# Altium PCB Dash Board.PcbDoc
Units mil, origin at the board's own origin, x right, y up, seen from the top; angles counter-clockwise.
Board outline 5620.27 x 3065.15 mil, 4 copper layers (Top Layer, GND, Power, Bottom Layer), stack 29.356 mil thick; 80 components, 55 nets, 279 pads, 118 vias.
Unrouted connection lines stored in the file: 2.
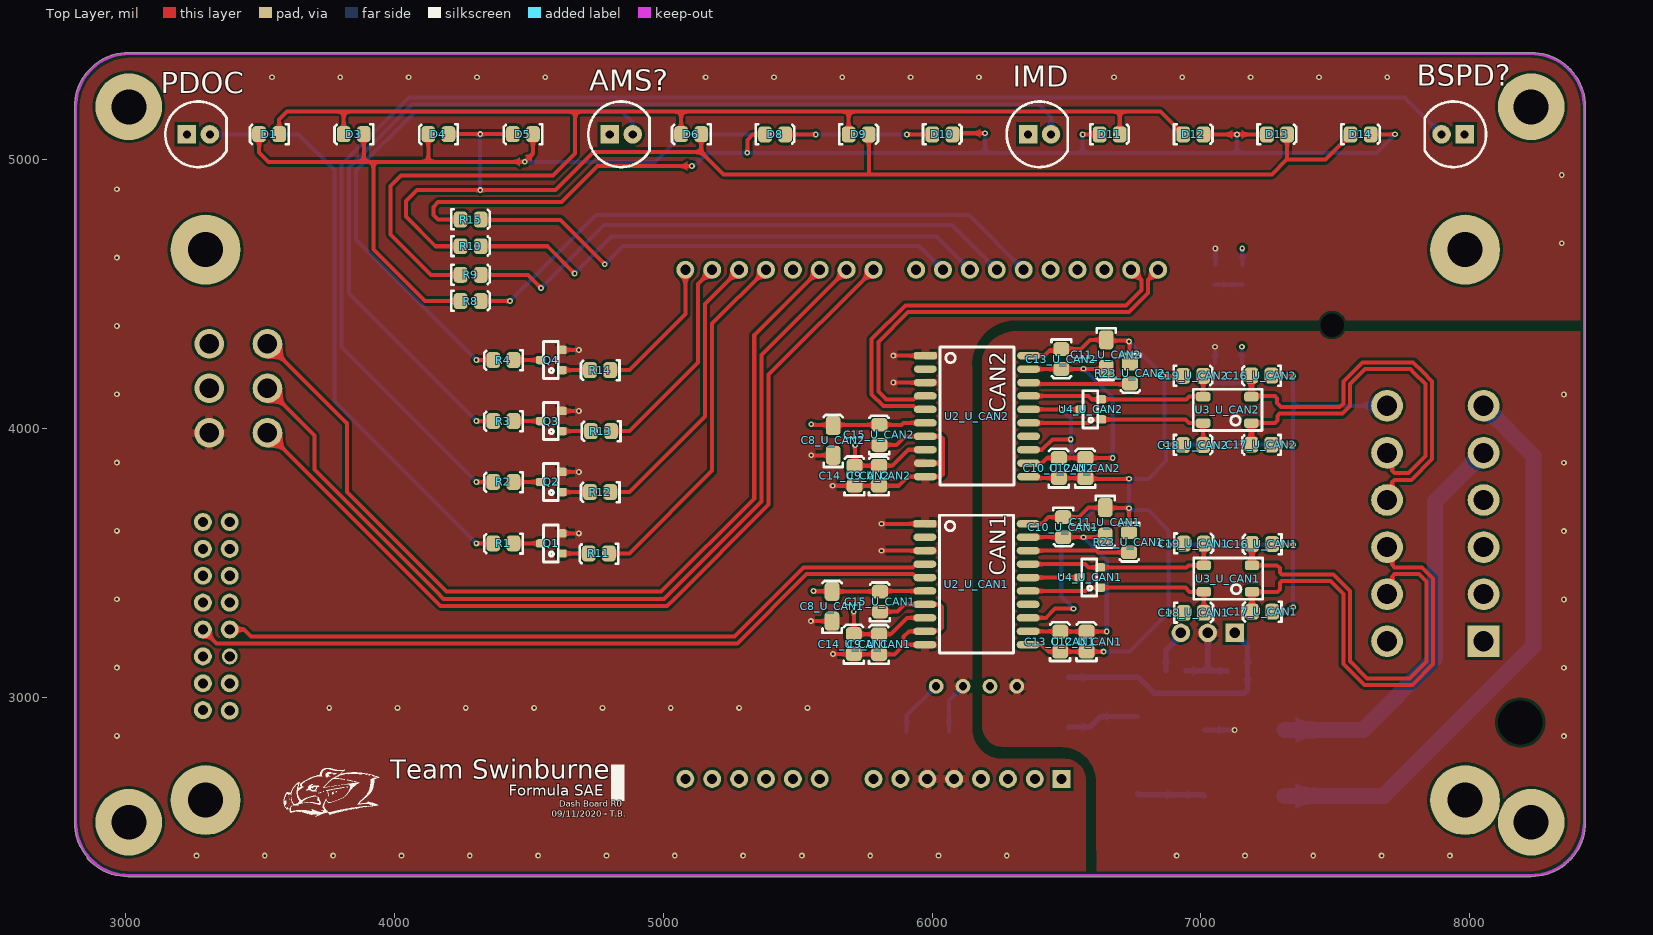
[diagram p0: Top Layer view]
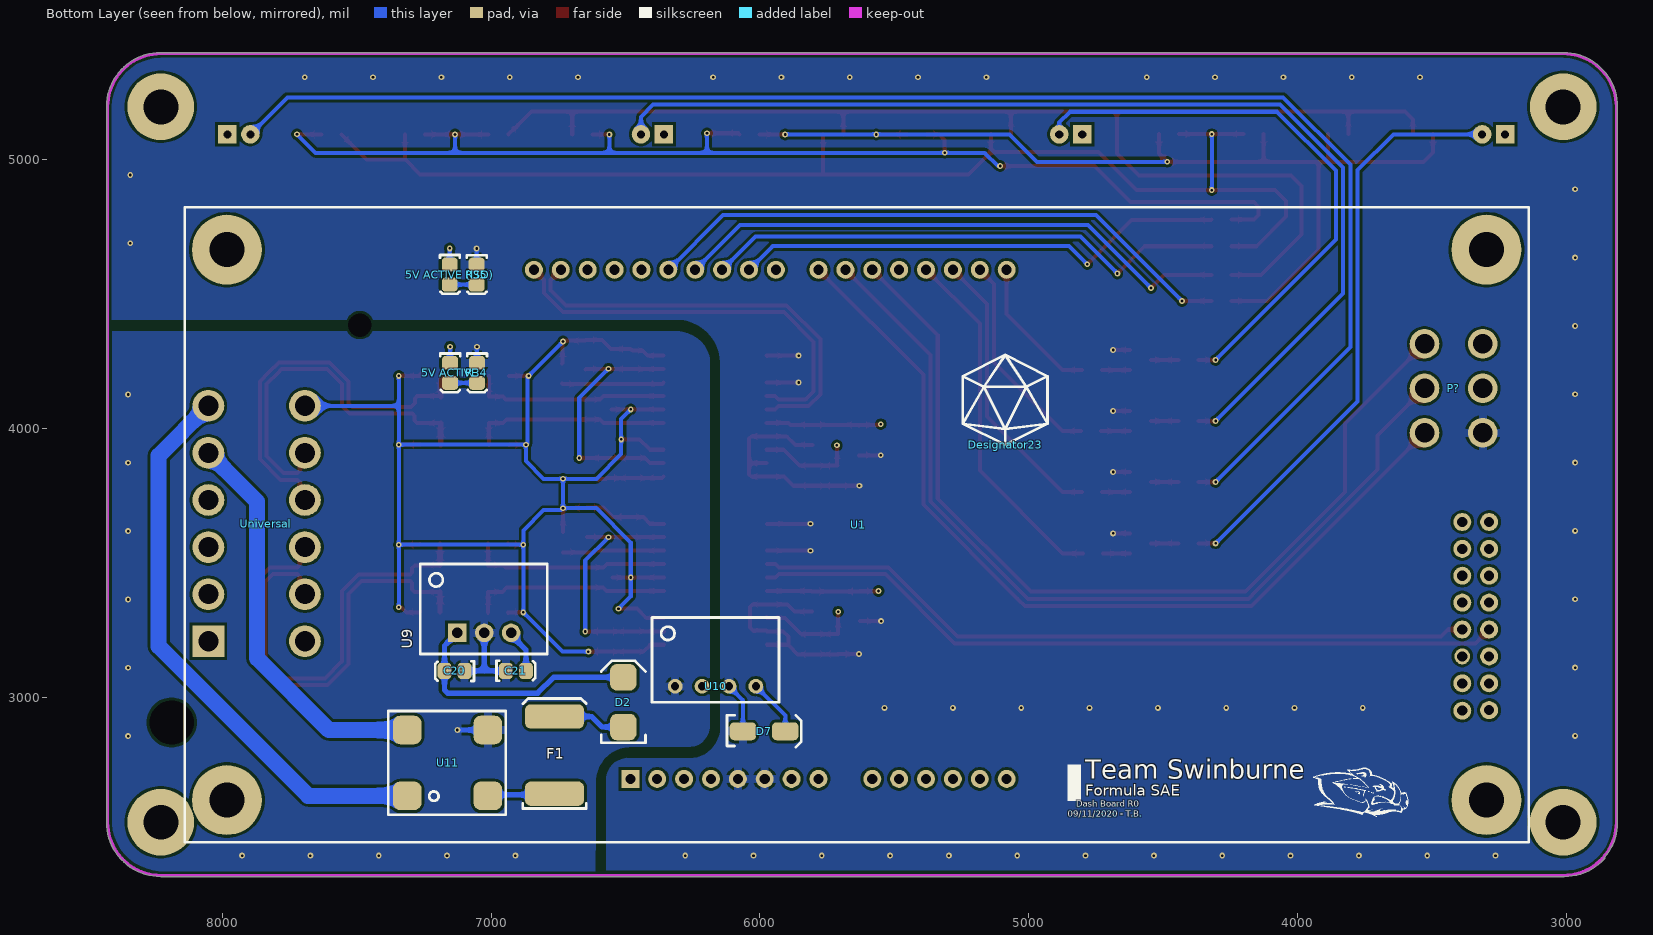
[diagram p1: Bottom Layer view, seen from below]
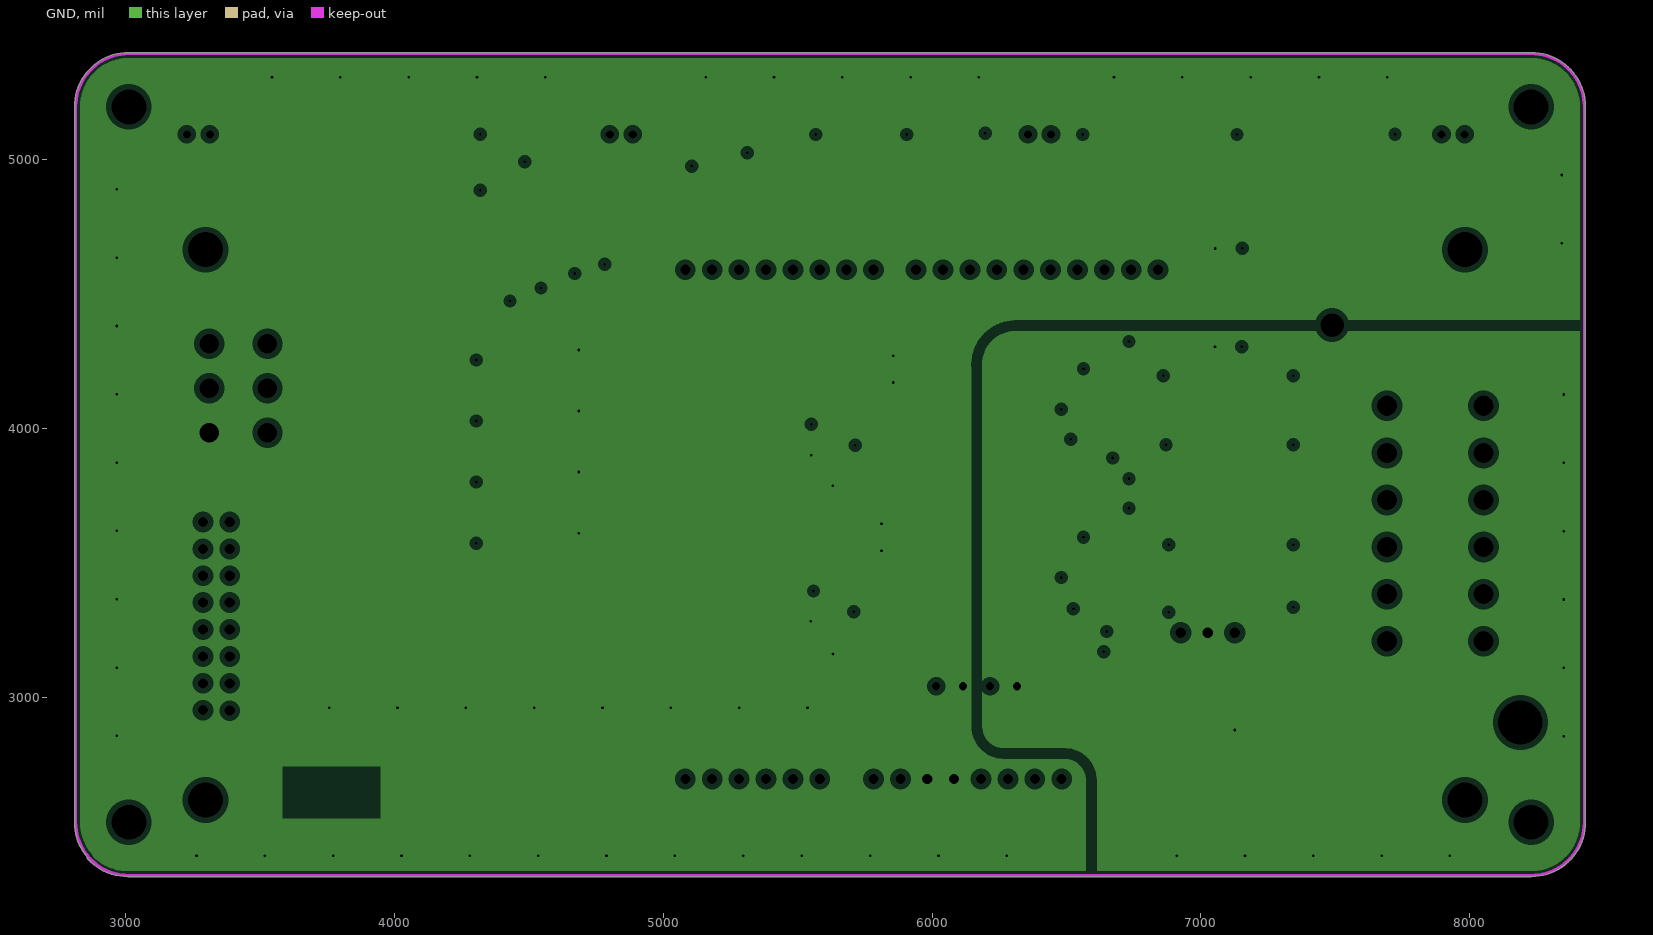
[diagram p2: GND, clearances drawn from the general rule]
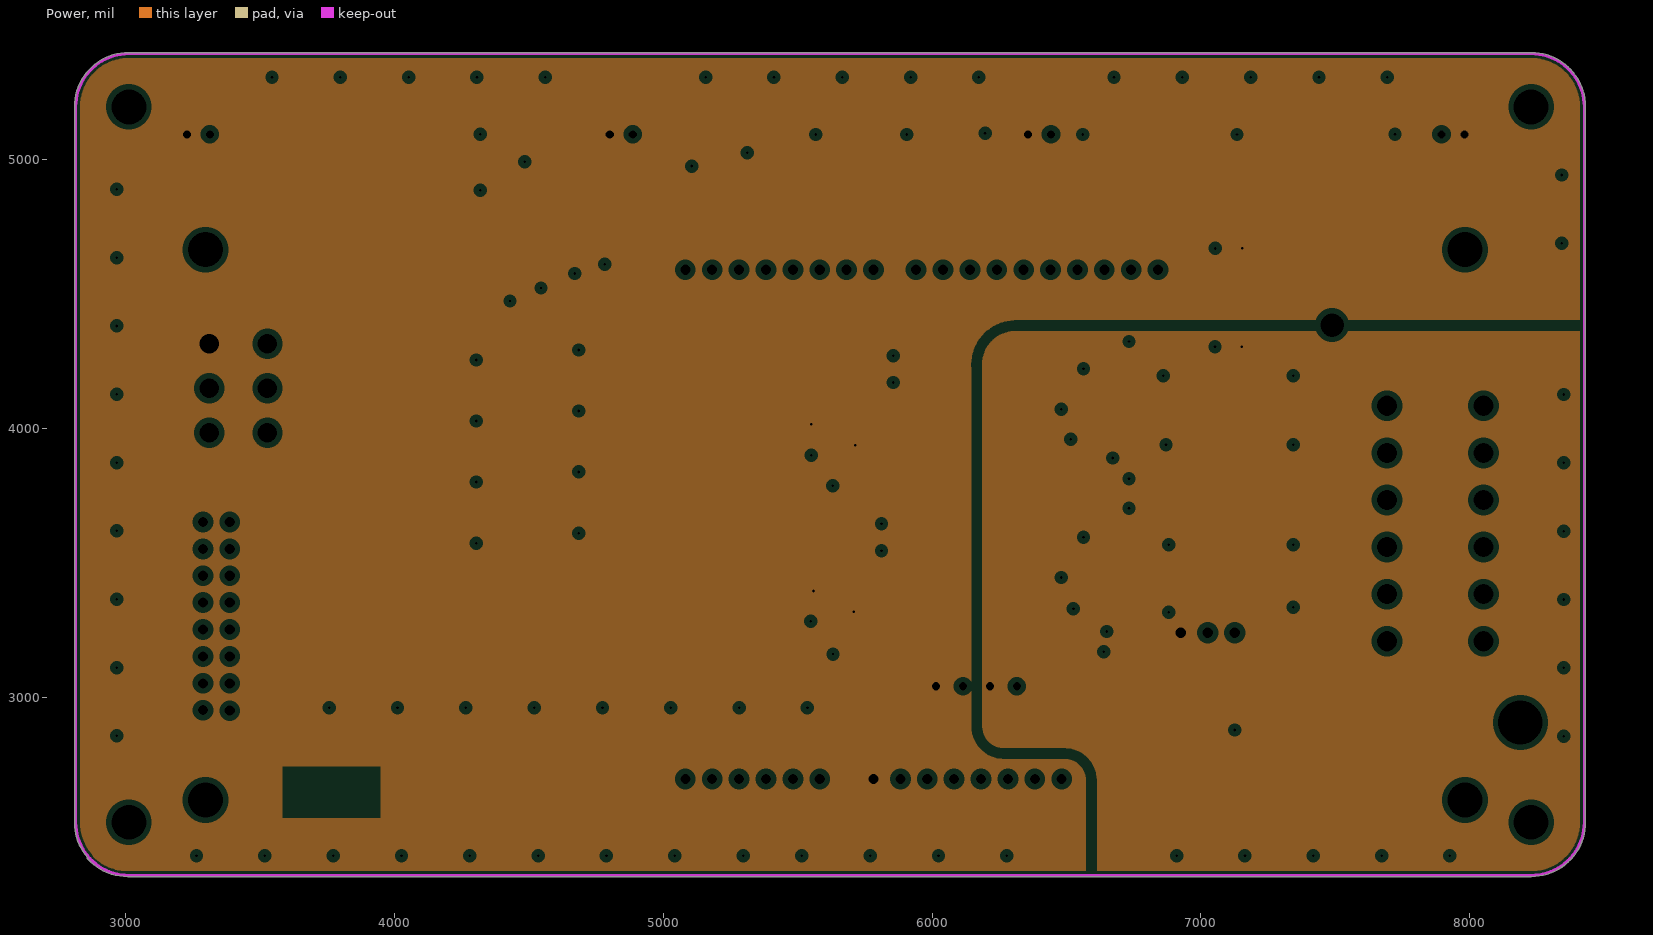
[diagram p3: Power, clearances drawn from the general rule]

## Layer stack, top to bottom
Top Solder: solder mask 0.4, Solder Resist, Dk 3.5
Top Layer: signal copper 1.4
Dielectric 2: prepreg 2.8, PP-006, Dk 4.1
Dielectric 4: prepreg 2.8, PP-006, Dk 4.1
GND: plane copper 1.378, net 0V (ISO)
Dielectric 1: dielectric 12.6, FR-4, Dk 4.8
Power: plane copper 1.378, net (Multiple Nets)
Dielectric 5: prepreg 2.8, PP-006, Dk 4.1
Dielectric 3: prepreg 2.8, PP-006, Dk 4.1
Bottom Layer: signal copper 1.4
Bottom Solder: solder mask 0.4, Solder Resist, Dk 3.5

## Board outline
2859.24,2398.85 cw(c2862.93,2402.24) 2858.35,2404.29 cw(c3011.81,2535.43) 2810.55,2519.76 cw(c2814.96,2522.15) 2809.95,2522.15 2809.95,5196.85 cw(c3011.81,5196.85) 3011.81,5398.72 8228.35,5398.72 cw(c8228.35,5196.85) 8429.6,5212.56 cw(c8425.2,5210.16) 8430.21,5210.16 8430.21,2535.43 cw(c8228.35,2535.43) 8228.35,2333.57 ccw(c8228.35,2338.58) 8228.43,2333.57 8228.35,2333.57 3011.81,2333.57 cw(c3011.81,2535.43) 3008.4,2333.6 cw(c3007.87,2338.58) 3007.87,2333.57 cw(c3007.87,2535.43)

## Design rules (kind name [scope] priority, off if disabled: settings)
Clearance Clearance_1 [All] p1: gap=10 ignorepadtopadclearanceinfootprint=FALSE except(0: Arc-Hole Track-Hole SMDPad-Hole THPad-Hole Via-Hole Fill-Hole Poly-Hole Region-Hole Text-Hole)
Clearance [All] p2: gap=11.81 ignorepadtopadclearanceinfootprint=TRUE except(0: Arc-Hole Track-Hole SMDPad-Hole THPad-Hole Via-Hole Fill-Hole Poly-Hole Region-Hole Text-Hole; 23.62: Arc-Poly Track-Poly SMDPad-Poly THPad-Poly Via-Poly Fill-Poly; 39.37: Poly-Poly)
DiffPairsRouting [All] p1: maxlimit=10 minlimit=10 mostfreqgap=10 toplayer_minwidth=10 toplayer_maxwidth=15 toplayer_prefwidth=15 bottomlayer_minwidth=10 bottomlayer_maxwidth=15 bottomlayer_prefwidth=15 maxuncoupledlength=500
Height [All] p1: minheight=0 maxheight=1968.5 prefheight=500
PlaneClearance [All] p1: clearance=20
PlaneConnect [All] p1: planeconnectstyle=Relief reliefexpansion=20 reliefentries=4 reliefconductorwidth=31.5 reliefairgap=10
PolygonConnect [All] p1: connectstyle=Relief reliefconductorwidth=31.5 reliefentries=4 polygonreliefangle="90 Angle" airgapwidth=10
RoutingVias [All] p1: holewidth=28 width=50 viastyle="Through Hole" minholewidth=28 minwidth=50 maxholewidth=28 maxwidth=50
SolderMaskExpansion [All] p1: expansion=4 istentingtop=FALSE
Width [All] p1: maxlimit=118.11 minlimit=10 preferedwidth=19.68
26 further rules are at their usual default settings.

## Classes and differential pairs
channel class CAN: U_CAN1 U_CAN2
component class U_Power: "5V ACTIVE" "5V ACTIVE (ISO)" C20 C21 D2 D7 F1 R34 R35 U9 U10 U11
component class U_CAN2: C8_U_CAN2 C9_U_CAN2 C10_U_CAN2 C11_U_CAN2 C12_U_CAN2 C13_U_CAN2 C14_U_CAN2 C15_U_CAN2 C16_U_CAN2 C17_U_CAN2 C18_U_CAN2 C19_U_CAN2 R23_U_CAN2 U2_U_CAN2 U3_U_CAN2 U4_U_CAN2
component class U_CAN1: C8_U_CAN1 C9_U_CAN1 C10_U_CAN1 C11_U_CAN1 C12_U_CAN1 C13_U_CAN1 C14_U_CAN1 C15_U_CAN1 C16_U_CAN1 C17_U_CAN1 C18_U_CAN1 C19_U_CAN1 R23_U_CAN1 U2_U_CAN1 U3_U_CAN1 U4_U_CAN1
component class "Top Level": AMS? BSPD? D1 D3 D4 D5 D6 D8 D9 D10 D11 D12 D13 D14 IMD P? PDOC Q1 Q2 Q3 Q4 R1 R2 R3 R4 R8 R9 R10 R11 R12 R13 R14 R15 U1 Universal
differential pair CAN1: +CAN1H_P -CAN1L_N

## Components (designator, comment, footprint, x,y, rotation, side; value= is the part's Value field where it differs from the comment)
"5V ACTIVE" "LED" "0805 LED" 7151.31,4206.49 r270 bottom
"5V ACTIVE (ISO)" "LED" "0805 LED" 7152.58,4572.41 r270 bottom
AMS? "RED" "5MM LED" 4457.29,4984.25 r0 top
BSPD? "RED" "5MM LED" 8324.39,5204.72 r180 top
C8_U_CAN1 "10nF" 1206 5627.95,3386.02 r90 top (schematic designator C8)
C8_U_CAN2 "10nF" 1206 5631.89,4002.93 r90 top (schematic designator C8)
C9_U_CAN1 "100nF" 0805 5801.76,3198.24 r90 top (schematic designator C9)
C9_U_CAN2 "100nF" 0805 5801.59,3825.06 r90 top (schematic designator C9)
C10_U_CAN1 "100nF" 0805 6488.38,3632.72 r270 top (schematic designator C10)
C10_U_CAN2 "100nF" 0805 6470.47,3853.54 r90 top (schematic designator C10)
C11_U_CAN1 "10nF" 1206 6643.7,3603.67 r270 top (schematic designator C11)
C11_U_CAN2 "10nF" 1206 6647.64,4227.55 r270 top (schematic designator C11)
C12_U_CAN1 "10uF" 0805 6573.77,3208.08 r90 top (schematic designator C12)
C12_U_CAN2 "10uF" 0805 6568.9,3853.54 r90 top (schematic designator C12)
C13_U_CAN1 "100nF" 0805 6475.35,3208.08 r90 top (schematic designator C13)
C13_U_CAN2 "100nF" 0805 6481.35,4258.08 r270 top (schematic designator C13)
C14_U_CAN1 "10uF" 0805 5707.72,3199.01 r90 top (schematic designator C14)
C14_U_CAN2 "10uF" 0805 5710.5,3825.06 r90 top (schematic designator C14)
C15_U_CAN1 "100nF" 0805 5805.12,3356.49 r90 top (schematic designator C15)
C15_U_CAN2 "100nF" 0805 5802.62,3977.05 r90 top (schematic designator C15)
C16_U_CAN1 "100pF" 0805 7226.92,3569.32 r180 top (schematic designator C16)
C16_U_CAN2 "100pF" 0805 7224.37,4196.28 r180 top (schematic designator C16)
C17_U_CAN1 "100pF" 0805 7226.92,3317.84 r180 top (schematic designator C17)
C17_U_CAN2 "100pF" 0805 7224.37,3938.88 r180 top (schematic designator C17)
C18_U_CAN1 "100pF" 0805 6973.93,3315.84 r0 top (schematic designator C18)
C18_U_CAN2 "100pF" 0805 6971.38,3939.71 r0 top (schematic designator C18)
C19_U_CAN1 "100pF" 0805 6973.93,3573.16 r0 top (schematic designator C19)
C19_U_CAN2 "100pF" 0805 6971.38,4197.11 r0 top (schematic designator C19)
C20 "10uF" 0805 7136.3,3097.39 r0 bottom
C21 "22uF" 0805 6907.01,3099.46 r180 bottom
D1 "Red" "0805 LED" 3533.4,5094.07 r180 top
D2 "SD560BTR" "SMB Diode" 6507.87,2899.61 r90 bottom
D3 "Red" "0805 LED" 3848.05,5094.07 r180 top
D4 "Red" "0805 LED" 4162.7,5094.07 r180 top
D5 "Red" "0805 LED" 4477.35,5094.07 r180 top
D6 "Red" "0805 LED" 5103.17,5094.07 r180 top
D7 "SMAZ5V6-13-F" "DI SMA Diode" 6062.99,2874.02 r180 bottom
D8 "Red" "0805 LED" 5416.26,5094.9 r0 top
D9 "Red" "0805 LED" 5727.44,5094.9 r0 top
D10 "Red" "0805 LED" 6038.62,5094.9 r0 top
D11 "Red" "0805 LED" 6660.98,5094.9 r0 top
D12 "Red" "0805 LED" 6972.16,5094.9 r0 top
D13 "Red" "0805 LED" 7283.34,5094.9 r0 top
D14 "Red" "0805 LED" 7594.52,5094.9 r0 top
Designator23 "Comment" Icosahedron 5087.64,3939.18 r180 bottom
F1 "0ZCF0200AF2C" 2920 6763.78,2641.73 r90 bottom
IMD "RED" "5MM LED" 6013.19,4984.25 r0 top
P? "39281063" 39281063 3527.56,4149.61 r90 bottom
PDOC "RED" "5MM LED" 2884.05,4984.25 r0 top
Q1 "BC817-16LT1" "ON SOT-23 BJT" 4583.69,3572.65 r90 top
Q2 "BC817-16LT1" "ON SOT-23 BJT" 4583.69,3801.21 r90 top
Q3 "BC817-16LT1" "ON SOT-23 BJT" 4583.69,4028 r90 top
Q4 "BC817-16LT1" "ON SOT-23 BJT" 4583.69,4254.92 r90 top
R1 "240R" 0805 4404.67,3571.85 r180 top
R2 "240R" 0805 4404.67,3800.18 r180 top
R3 "240R" 0805 4404.67,4026.97 r180 top
R4 "240R" 0805 4404.67,4253.89 r180 top
R8 "680R" 0805 4283.94,4475.44 r0 top
R9 "680R" 0805 4283.94,4572.83 r0 top
R10 "680R" 0805 4283.94,4679.13 r0 top
R11 "1k" 0805 4759.71,3534.22 r180 top
R12 "1k" 0805 4764.54,3762.78 r180 top
R13 "1k" 0805 4767.73,3989.56 r180 top
R14 "1k" 0805 4764.54,4216.49 r180 top
R15 "680R" 0805 4283.94,4778.59 r0 top
R23_U_CAN1 "0R" 0805 6733.31,3576.49 r270 top (schematic designator R23)
R23_U_CAN2 "0R" 0805 6737.25,4204.35 r270 top (schematic designator R23)
R34 "1.5k" 0805 7051.31,4206.49 r270 bottom
R35 "1.5k" 0805 7052.58,4572.16 r270 bottom
U1 "DISCO-F469NI" DISCO-F469NI 5639.76,3681.1 r90 bottom locked
U2_U_CAN1 "ADM3053" "AD SOIC-W 20" 6164.99,3420.8 r270 top (schematic designator U2)
U2_U_CAN2 "ADM3053" "AD SOIC-W 20" 6166.8,4046.15 r270 top (schematic designator U2)
U3_U_CAN1 "B82787C0104H002" "TDK 4-PC Pad" 7189.99,3392.73 r180 top (schematic designator U3)
U3_U_CAN2 "B82787C0104H002" "TDK 4-PC Pad" 7187.44,4020.18 r180 top (schematic designator U3)
U4_U_CAN1 "NUP2105L" "ON SOT-23" 6586.61,3445.96 r90 top (schematic designator U4)
U4_U_CAN2 "NUP2105L" "ON SOT-23" 6590.55,4071.15 r90 top (schematic designator U4)
U9 "R-78C5.0-1.0" "RECOM 3-SIP" 7125.2,3240.16 r180 bottom
U10 "RI-0505S" "RECOM 4-SIP" 6164.99,3041.34 r180 bottom
U11 "744272121" "Wurth 4-PC Pad" 7011.81,2878.74 r0 bottom
Universal "DTF15-12P" DTF15-12P 7333.07,3208.66 r90 bottom

## Footprints (in the part's own frame and the unit in brackets; to place one, negate y for a bottom-side part, rotate by r counter-clockwise, add the part's x,y. Pads: shape width x height; smd on the part's side, far side on the other; paste and mask are expansions set on the pad)
"5MM LED" [mm]
  rect 1.75x1.75 hole 0.762: A(8.725,2.8)
  round 1.75 hole 0.762: K(10.9,2.8)
  silkscreen extent 6.7,-0.3 12.48,5.9, body extent 6.85,-0.15 12.36,5.75, height 8.9
0805 [mil]
  rrect50% 51.18x59.06 smd: 1(-37.87,-1.03) 2(36.93,-1.03)
  silkscreen extent -73,-37 71,37, body extent -39,-26 39,26, height 29
"0805 LED" [mil]
  rrect50% 51.18x59.06 smd: A(-37.87,-1.03) K(36.93,-1.03)
  silkscreen extent -73,-37 71,37, body extent -43,-25 35,25, height 39
1206 [mm]
  rrect50% 1.8x1.4 smd: 1(-2.6,0) 2(0.2,0)
  silkscreen extent -3.7,-0.9 1.2,0.9, body extent -2.9,-0.9 0.5,0.9, height 1.85
2920 [mm]
  rrect50% 2.3x5.6 smd: 1(0,0) 2(7.3,0)
  silkscreen extent -1.4,-3 9,3, body extent -0.34,-2.81 7.64,2.81, height 1.14
39281063 [mm]
  round 2.8 hole 1.85: 1(4.2,-5.5) 2(0,-5.5) 3(-4.2,-5.5) 4(4.2,0) 5(0,0) 6(-4.2,0)
  body extent -7.27,-7.8 7.33,3.2, height 12.8
"AD SOIC-W 20" [mil]
  rrect50% 28x85 smd: 1(-225,-192.02)
  oval 28x85 smd: 2(-175,-192.02) 3(-125,-192.02) 4(-75,-192.02) 5(-25,-192.02) 6(25,-192.02) 7(75,-192.02) 8(125,-192.02) 9(175,-192.02) 10(225,-192.02) 11(225,192.02) 12(175,191.98) 13(125,191.98) 14(75,191.98) 15(25,191.98) 16(-25,191.98) 17(-75,191.98) 18(-125,191.98) 19(-175,191.98) 20(-225,191.98)
  silkscreen extent -257,-138 256,138, body extent -260,-210 260,210, height 105
"DI SMA Diode" [mm]
  rrect50% 2.5x1.7 smd: A(0,0) K(4,0)
  silkscreen extent -1.5,-1.5 5.5,1.5, body extent -0.8,-1.46 4.79,1.46, height 2.35
DISCO-F469NI [mm]
  round 6.6 hole 3.3: 0(-27,-59.5) 0(-27,59.5) 0(25,-59.5) 0(25,59.5)
  rect 1.7x1.7 hole 0.95: 1(-25,21.391)
  round 1.7 hole 0.95: 2(-25,18.851) 3(-25,16.311) 4(-25,13.771) 5(-25,11.231) 6(-25,8.691) 7(-25,6.151) 8(-25,3.611) 9(-25,-1.469) 10(-25,-4.009) 11(-25,-6.549) 12(-25,-9.089) 13(-25,-11.629) 14(-25,-14.169) 15(23.103,30.499) 16(23.103,27.959) 17(23.103,25.419) 18(23.103,22.879) 19(23.103,20.339) 20(23.103,17.799) 21(23.103,15.259) 22(23.103,12.719) 23(23.103,10.179) 24(23.103,7.639) 25(23.103,3.611) 26(23.103,1.071) 27(23.103,-1.469) 28(23.103,-4.009) 29(23.103,-6.549) 30(23.103,-9.089) 31(23.103,-11.629) 32(23.103,-14.169) 33(-0.727,-57.213) 34(-3.267,-57.213) 35(-5.807,-57.213) 36(-8.347,-57.213) 37(-10.887,-57.213) 39(-15.967,-57.213) 40(-18.558,-57.213) 41(-18.507,-59.753) 42(-15.967,-59.753) 43(-13.427,-59.753) 44(-10.887,-59.753) 45(-8.347,-59.753) 46(-5.807,-59.753) 47(-3.267,-59.753) 48(-0.727,-59.753)
  round 1.5 hole 0.95: 38(-13.427,-57.213)
  silkscreen extent -31,-63.5 29,63.5, body extent -31.1,-64.69 29.95,63.89
DTF15-12P [mm]
  rect 3x3 hole 1.9: 1(0,18.24)
  round 3 hole 1.9: 2(4.45,18.24) 3(8.9,18.24) 4(13.35,18.24) 5(17.8,18.24) 6(22.25,18.24) 7(22.25,9.12) 8(17.8,9.12) 9(13.35,9.12) 10(8.9,9.12) 11(4.45,9.12) 12(0,9.12)
  round 1.524 hole 4.2 unplated mask+0: 5(-7.671,21.717)
  round 1.524 hole 2.2 unplated mask+0: ""(29.87,3.937)
  body extent -10.87,2.62 33.07,24.88, height 35
Icosahedron [mil]
  silkscreen extent -157,0 157,335
"ON SOT-23" [mm] "NUP2105L"
  rrect50% 0.8x0.9 smd: 1(-0.95,-1) 2(0.95,-1) 3(0,1)
  silkscreen extent -1.75,-0.65 1.75,0.75, body extent -1.5,-1.27 1.5,1.28, height 1
"ON SOT-23 BJT" [mm] "NUP2105L"
  rrect50% 0.8x0.9 smd: B(-0.95,-1) C(0,1) E(0.95,-1)
  silkscreen extent -1.75,-0.65 1.75,0.75, body extent -1.5,-1.27 1.5,1.28, height 1
"RECOM 3-SIP" [mm] "12 to 42 Vdc In, 9 Vdc Out"
  rect 1.75x1.75 hole 1: 1(0,0)
  round 1.75 hole 1: 2(2.54,0) 3(5.08,0)
  silkscreen extent -3.5,-2 8.5,6.5, body extent -3.26,-2.02 8.34,6.48, height 11.41
"RECOM 4-SIP" [mil]
  round 55 hole 30: 1(-150,0) 2(-50,0) 3(50,0) 4(150,0)
  silkscreen extent -236,-59 236,256, body extent -225,-51 227,249, height 122
"SMB Diode" [mm]
  rrect50% 2.5x2.5 smd: A(-0.25,0) K(4.45,0)
  silkscreen extent -1.75,-2.1 6,2.1, body extent -0.69,-1.97 4.9,1.97, height 2.5
"TDK 4-PC Pad" [mm]
  rrect50% 1.35x0.9 smd: 1(0,0) 2(0,-2.5) 3(4.55,-2.5) 4(4.55,0)
  silkscreen extent -1,-3.2 5.5,0.7, body extent -0.02,-2.82 4.48,0.38, height 2.8
"Wurth 4-PC Pad" [mm]
  rrect50% 2.7x2.7 smd: 1(7.62,6.22) 2(0,6.22) 3(0,0) 4(7.62,0)
  silkscreen extent -1.7,-1.8 9.4,8, body extent -1.19,-1.24 8.81,7.46, height 6.2
